# Altium PCB PCB2.PcbDoc (part 2 of 3) (continued)
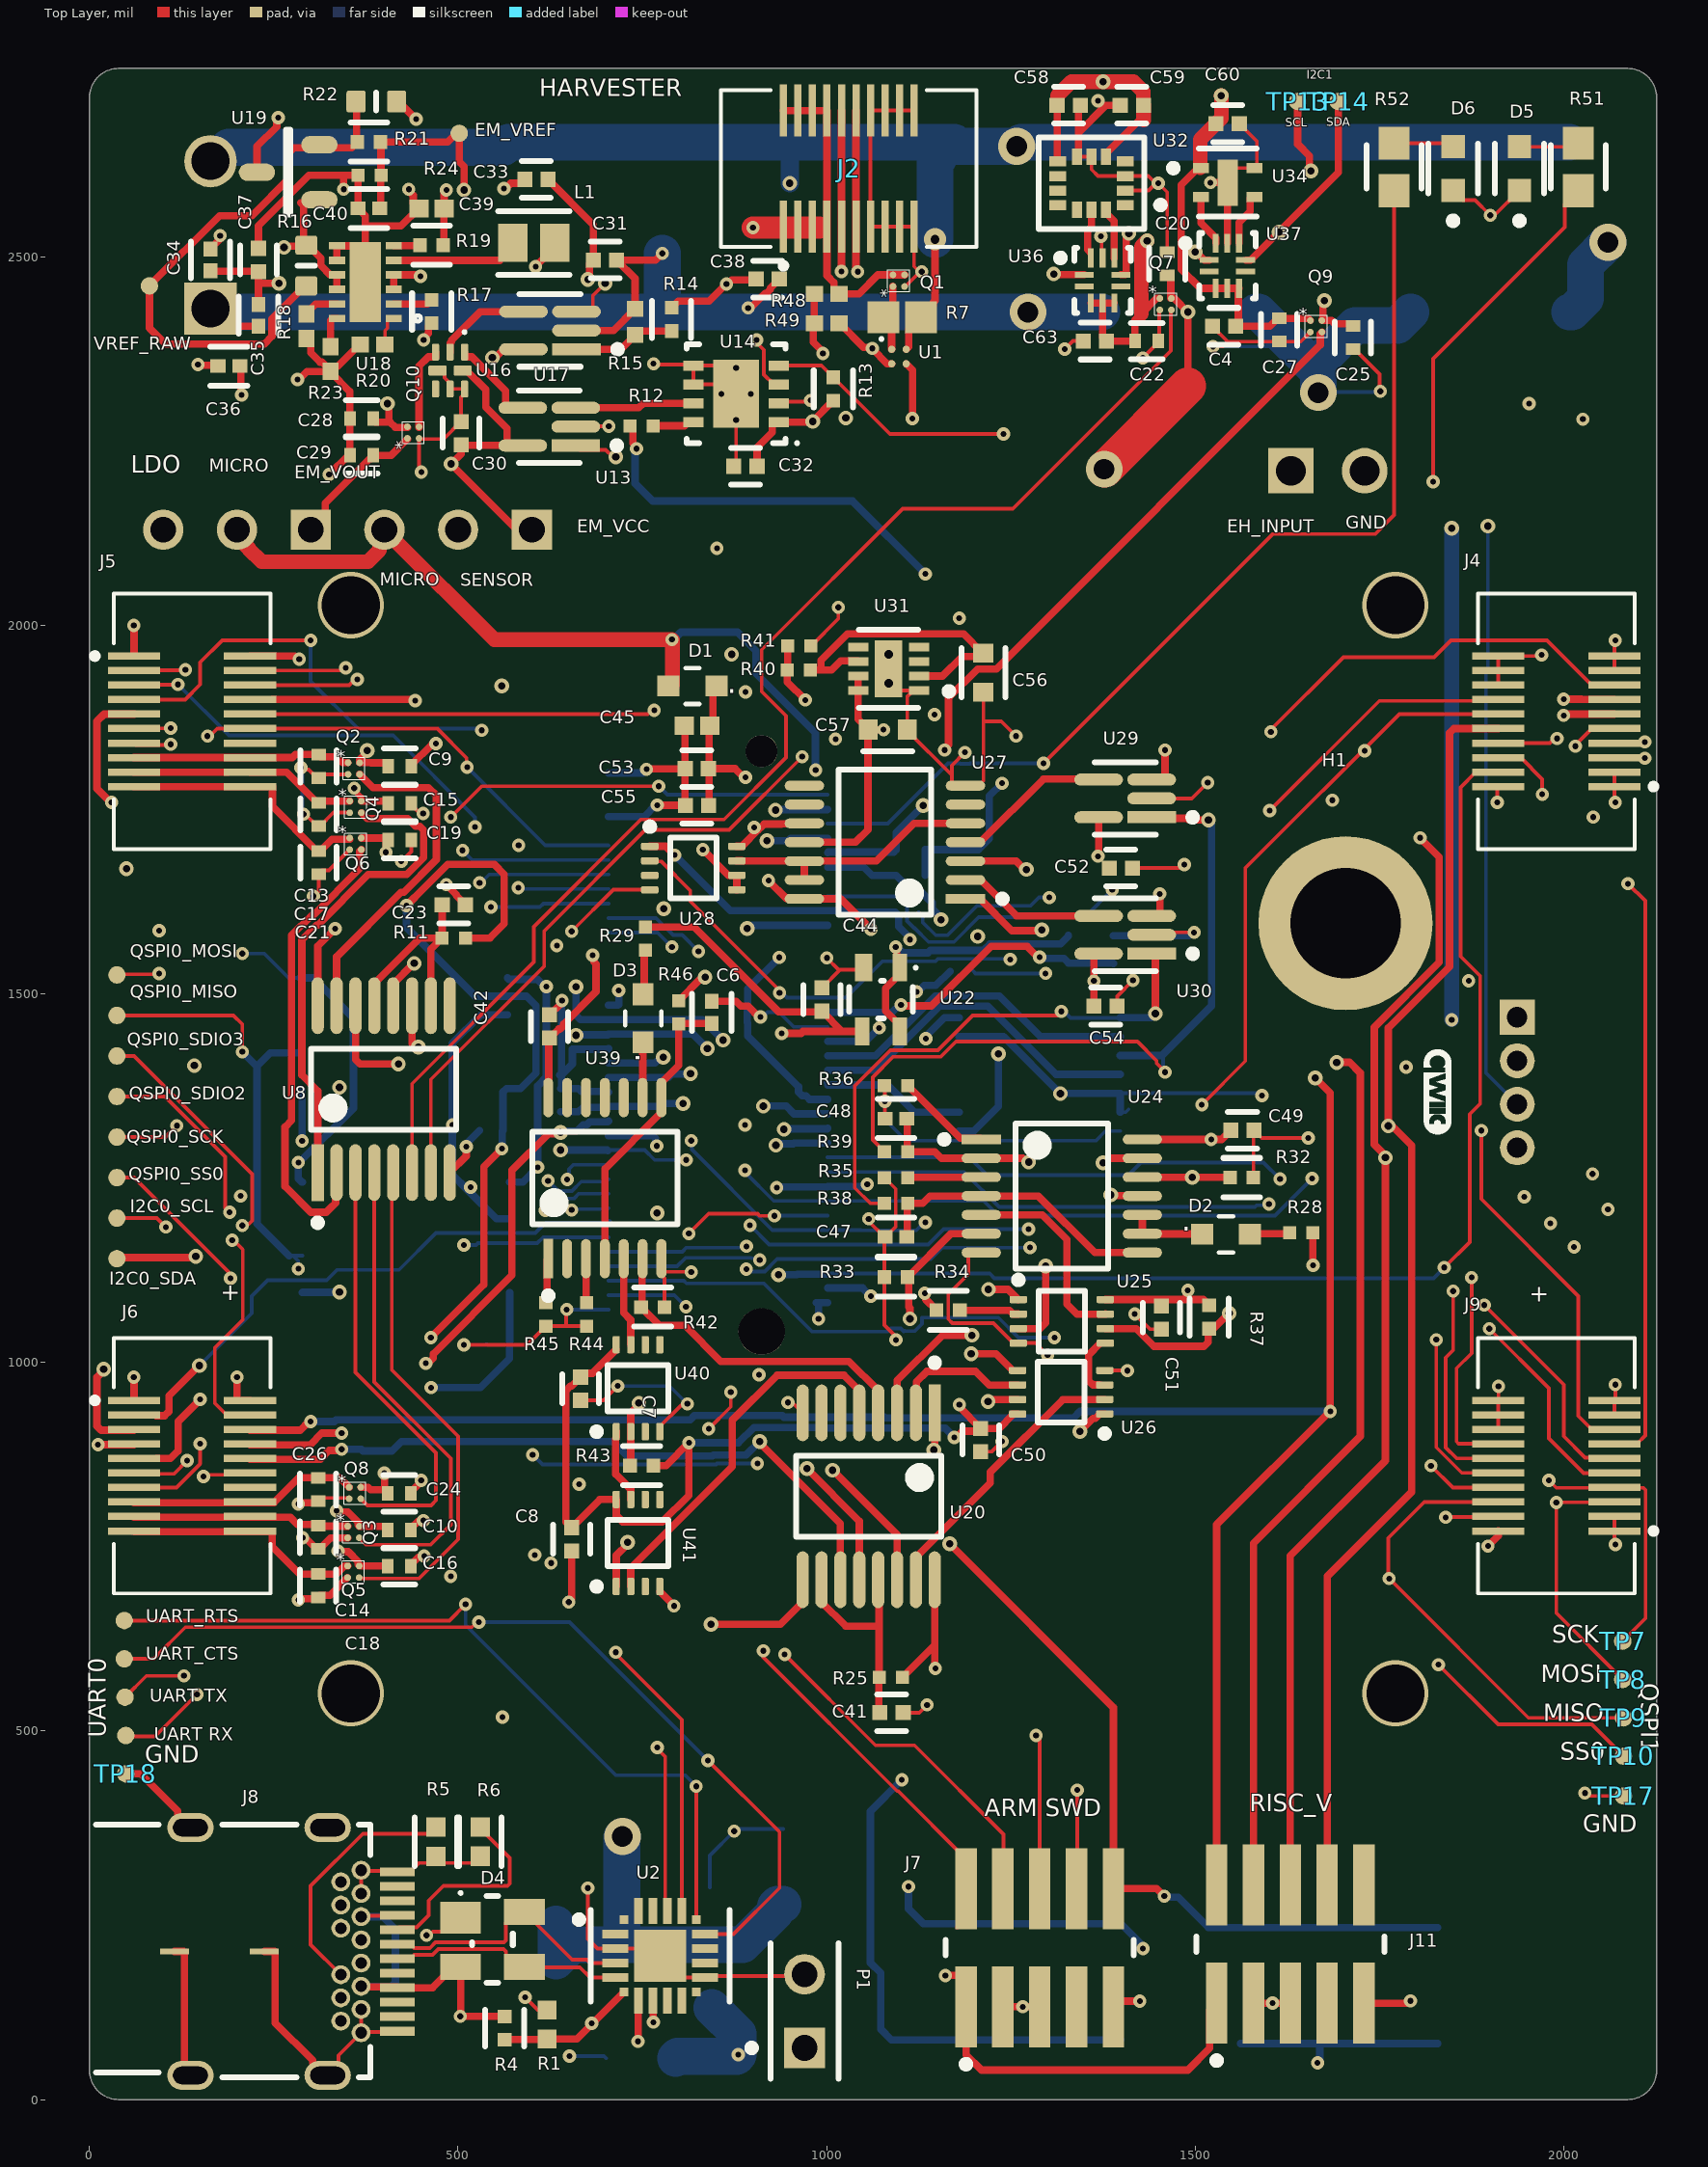
[diagram p0: Top Layer view]
## Nets (pads, with @x,y where several pads share a name; then routed paths per layer and width w, separated by ;. In a path a pad name is that pad's centre, name@x,y a point inside that pad or via, vN(x,y) a via of type N, cw(c..) or ccw(c..) an arc to the next point about the centre after c; other vN are vias at no path point) (continued)
  Top Layer w10: TP18.1@49.09,441.94 69.09,441.94 119.42,391.62 119.42,382.62 132.99,369.05 J8.Shell@136.85,369.05 ; v3(60,980) 60.26,979.74 J6.1@60.26,948.58 ; v3(60,2000) 60.26,1999.74 J5.1@60.26,1958.58 ; J8.Shell@115.2,200.94 127.76,200.94 128.82,199.88 128.82,40.87 J8.Shell@136.85,32.83 ; J13.1@164.09,2429.94 188,2406.04 C35.2@229.09,2406.04 ; C34.2@164.09,2510.85 164.09,2511.69 175.56,2523.16 175.56,2527.41 v1(177.09,2528.94) ; v3(200,980) 200,948.66 200.08,948.58 J6.2@217.74,948.58 ; C36.2@204,2351.94 205.09,2350.85 205.09,2314.04 v1(206.19,2312.94) ; J5.2@217.74,1958.58 278.24,1958.58 282.33,1954.5 v3(284.49,1954.5) ; U19.3@227.09,2614.94 227.09,2649.94 254.09,2676.94 254.09,2686.94 v1(256.09,2688.94) ; C37.2@229.09,2511.69 229.09,2542.35 297.69,2610.94 344.74,2610.94 ; C35.2@229.2,2405.09 C35.2@233.4,2400.9 ; J8.Shell@237.24,200.94 250.87,200.94 251.93,199.88 251.93,103.98 302.64,53.27 302.64,49.4 319.21,32.83 J8.Shell@323.07,32.83 ; v1(282.09,2333.94) 284.26,2333.94 295.07,2344.75 R23.1@326.97,2344.75 ; v1(283.21,677.94) 284.74,679.48 308.12,679.48 312.97,684.32 326.11,684.32 Q5.B1@350.07,708.28 ; v1(283.21,808) 284.74,809.53 307.43,809.53 C26.1@310.09,812.2 ; v1(289.12,762.39) 290.65,760.86 294.46,760.86 308.13,747.2 C14.1@310.09,747.2 312.06,747.2 327.06,762.2 Q3.B1@350.09,762.2 ; v1(324.93,2204.96) 350.91,2230.94 C29.1@353.35,2230.94 C28.2@353.35,2280.94 353.35,2317.39 326.97,2343.77 R23.1@326.97,2344.75 ; U18.8@335.59,2495.48 U18.7@335.59,2515.17 341.59,2515.17 341.82,2514.94 357.59,2514.94 U18.13@374.09,2498.44 ; v1(344.74,2591.94) 344.74,2610.94 ; R20.1@367.36,2380.94 366.38,2380.94 337,2351.56 332.79,2351.56 R23.1@326.97,2345.74 ; U18.13@374.09,2465.94 U18.13@374.09,2498.44 ; R22.1@416.65,2710.94 419.09,2710.94 v1(443.09,2686.94) ; v1(433.06,2591.94) 433.06,2589.78 439.17,2583.67 439.17,2573.15 C39.1@446.38,2565.94 ; C16.2@435.84,723.44 435.84,725.41 446.24,735.81 452.47,735.81 v1(454,737.34) ; C10.2@435.84,772.94 435.84,774.91 445.9,784.97 452.41,784.97 v1(453.05,785.6) ; C24.2@435.84,822.44 435.84,824.41 450,838.57 v3(450,840) ; C9.1@436.49,1808.82 436.49,1810.79 464.17,1838.47 468.47,1838.47 v3(470,1840) ; C39.1@447.17,2565.94 C39.1@446.38,2565.94 ; v1(483.97,1648.52) 497.58,1634.91 497.58,1633.2 C23.1@509.84,1620.94 ; U8.8@488.66,1257.74 511.09,1280.17 511.09,1292.94 v1(511.19,1293.04) ; v1(562.09,2592.94) 564.26,2592.94 571.37,2600.06 585.21,2600.06 C33.2@590.45,2605.29 ; C42.2@624.09,1471.69 639.47,1487.07 639.47,1489.47 v1(641,1491) ; v1(650.09,674.94) 654.09,678.94 C8.2@654.09,744.45 ; U17.2@660.61,2400.35 710.78,2400.35 R15.1@740.09,2429.66 740.09,2470.94 C31.2@715.09,2495.94 768.09,2495.94 v1(777.09,2504.94) ; v1(755.62,1804.98) 756.02,1805.38 C53.2@807.62,1805.38 ; v1(770.31,1756.3) 770.49,1756.12 C55.2@808.17,1756.12 ; U41.4@773.7,689.33 792.87,670.16 v1(792.87,669.72) ; C45.1@806.89,1864.01 807.62,1863.28 C53.2@807.62,1805.38 ; C53.2@808.11,1805.78 807.71,1805.38 C53.2@807.62,1805.38 ; C55.2@808.35,1755.94 C55.2@808.17,1756.12 ; v1(832.09,1695.94) 866.94,1661.1 U28.6@878.15,1661.1 U28.5@878.15,1641.42 ; C6.2@844.09,1490.1 877.1,1490.1 883.7,1483.5 893.31,1483.5 907.93,1468.88 v1(910.09,1468.88) ; v3(893.57,2430.81) 896.56,2430.81 916.51,2450.76 918.22,2450.76 923.49,2456.04 923.49,2457.74 C38.2@935.75,2470 ; R49.1@1016.73,2410 1017.72,2410 1050.24,2377.48 1060.56,2377.48 v1(1062.09,2375.94) 1062.09,2375.11 1082.1,2355.1 U1.B1@1088.25,2355.1 ; J7.3@1239.09,125.94 v1(1266.09,125.94) J7.5@1289.09,125.94 ; U32.7@1339.72,2635.94 1341.61,2637.83 1341.61,2670.65 ; C58.1@1344.09,2705.94 1341.61,2703.46 1341.61,2670.65 ; v1(1368.09,2711.9) 1376.57,2703.42 ; J7.9@1389.09,125.94 1396.68,133.53 v1(1424.91,133.53) ; C59.2@1398.35,2705.94 1379.09,2705.94 1376.57,2703.42 ; v3(1520.8,2600.94) U34.5@1535.69,2600.94 ; U37.10@1543.8,2518.68 1543.94,2518.83 1543.94,2600.8 U34.5@1544.09,2600.94 U34.5@1535.69,2600.94 ; U34.5@1544.09,2609.35 U34.5@1535.69,2600.94 ; J11.3@1579.09,130.83 v1(1605.09,130.83) J11.5@1629.09,130.83 ; J11.9@1729.09,130.83 1788.98,130.83 v1(1792.09,133.94) ; v3(1897.27,750.98) 1911.26,764.97 J9.2@1911.26,771.42 ; R18.1@294.59,2388.72 294.09,2388.23 R18.1@294.09,2389.21 R18.1@294.59,2388.72 ; R18.1@294.59,2388.72 299.92,2383.39 299.92,2369.9 312.41,2357.41 315.3,2357.41 R23.1@326.97,2345.74 ; R23.1@326.97,2344.75 R23.1@326.97,2345.74 ; 344.74,2610.94 R24.1@364.09,2610.94 R24.1@364.09,2610.94 364.14,2565.99 C40.2@364.19,2565.94 365.03,2565.94 369.34,2561.64 369.34,2560.8 374.09,2556.04 374.09,2541.94 ; U18.13@374.09,2498.44 374.09,2541.94 ; 374.09,2541.94 422.38,2541.94 C39.1@446.38,2565.94 ; C53.2@807.62,1805.38 807.62,1756.67 C55.2@808.17,1756.12 ; 1341.61,2670.65 1343.8,2670.65 1376.57,2703.42
  Int1 (GND) w5: v1(811.09,943.94) 903.86,943.94 990.68,1030.76 v1(1094,1030.76) ; v1(889.28,1322.44) 890.78,1320.94 910.68,1320.94 944.29,1354.55 v1(1079.09,1354.55)
  Int1 (GND) w10: v1(770.31,1756.3) v1@772.96,1758.94
  Int2 (PWR) w5: v1(889.28,1322.44) 889.28,1424.28 903.59,1438.6 903.59,1458.86 910.09,1465.36 v1(910.09,1468.88) ; v1(1297.09,1527.94) 1320.97,1527.94 1342.97,1549.94 1384.15,1549.94 v1(1415.62,1518.47) ; v1(1408.24,988.99) 1408.24,1052.57 1418.09,1062.43 v1(1418.09,1065.94) ; v1(1485.17,1675.51) 1485.17,1755.02 v1(1517.09,1786.94)
  Int2 (PWR) w10: v1(641,1491) 641.05,1490.95 667.07,1490.95 671.26,1486.75 699.88,1486.75 v1(718,1504.88)
  Bottom Layer w5: v1(207.21,1554.94) 237.09,1554.94 270.09,1521.94 U42.4@285.78,1521.94 ; v1(286.79,1807) 288.52,1805.27 288.52,1745.8 v1(290.25,1744.07) ; v1(508,1023.94) 537.57,1023.94 C61.2@538.52,1024.9 ; v1(647.43,1072.01) 647.63,1071.81 703.9,1071.81 J1.75@704.09,1071.61 ; v3(651,59) 697.76,59 C2.1@700.76,56 ; v1(716.64,968.15) 786.89,968.15 v1(811.09,943.94) ; U3.1@841.66,288 841.66,331.32 v3(874.56,364.21) 877.52,367.18 C3.1@941,367.18 ; v1(910.09,1468.88) 913.61,1468.88 919.98,1475.24 935.4,1475.24 955.17,1455.47 J1.36@1001.34,1455.47 ; v1(1079.09,1354.55) 1079.09,1329.94 1108.07,1300.97 1365.18,1300.97 1378.39,1314.17 U23.7@1398.36,1314.17 ; R30.1@1124.93,1610.94 1130.41,1605.47 1130.41,1597.3 1148.02,1579.68 1164.1,1579.68 1204.07,1619.65 1276.81,1619.65 1288.11,1630.94 v1(1302.09,1630.94) ; C46.1@1199.09,1530.94 1202.09,1527.94 v1(1297.09,1527.94) ; v1(1524.25,2378.59) 1604.45,2378.59 v4@1652.81,2330.23 ; v4(1667.09,2315.94) 1668.03,2316.88 1750.35,2316.88 v1(1751.29,2317.81)
  Bottom Layer w10: U42.4@285.78,1521.94 303.5,1521.94 358,1467.44 358,1344.93 284.55,1271.48 v1(283.21,1271.48) 283.21,1249.73 288.04,1244.9 U33.4@288.61,1244.9 ; v1(511.19,1293.04) 512.72,1294.57 512.72,1298.32 C1.2@529.35,1314.94 ; 638,1390.14 640.14,1392.27 640.14,1490.14 v1(641,1491) ; J1.45@704.09,1366.88 703.19,1367.79 667.38,1367.79 663.4,1371.78 639.18,1371.78 640.14,1372.73 640.14,1381.43 640.14,1390.14 655.04,1405.04 655.04,1425.04 703.19,1425.04 J1.39@704.09,1425.94 ; J1.33@704.09,1484.99 717.1,1484.99 718,1485.9 v1(718,1504.88) ; J1.7@704.09,1740.9 752.75,1740.9 768.15,1756.3 v1(770.31,1756.3) ; J1.1@704.09,1799.95 750.6,1799.95 v1(755.62,1804.98) ; v1(1111.09,288.94) 1111.09,258.71 SW1.A'@1131.38,238.43 SW1.A@1399.09,238.43 1429.26,208.26 v1(1429.26,204.73) ; R47.1@1389.09,1578.94 1491.74,1578.94 1496.41,1583.62 v1(1498.58,1583.62) ; SW2.A@1561.38,75.94 1669.09,75.94 ; v1(1666.09,49.94) 1669.09,52.94 1669.09,75.94 ; SW2.A'@1829.09,75.94 1669.09,75.94
  Bottom Layer w50: J13.1@164.09,2429.94 168.61,2425.43 C73.2@568.22,2425.43 568.38,2425.28 C72.2@768.22,2425.28 C72.2@768.38,2425.43 ; v1(777.09,2504.94) 777.09,2434.15 C72.2@768.38,2425.43 ; C69.2@1373.22,2425.28 v4(1273.22,2425.28) C70.2@1173.22,2425.28 1173.14,2425.35 968.3,2425.35 C71.2@968.22,2425.43 C72.2@768.38,2425.43 ; C68.2@1583.22,2425.43 1586.17,2425.43 1667.09,2344.51 ; v4(1667.09,2315.94) 1667.09,2357.09 1716.97,2406.97 1774.26,2406.97 C67.2@1792.56,2425.27 ; C66.2@2008.22,2425.28 2011.17,2425.28 2029.48,2443.58 2029.48,2489.48 v4(2060,2520)
  other v6: 857.48,2314.33 896.85,2314.33 877.17,2349.76
  other v7: 1084.09,1960.94
I2C0_SCL: I2C0_SCL.1 J1.53 J4.12 R13.2 U14.4 | length 3510.2
  Top Layer w5: I2C0_SCL.1@37.09,1195.94 91.28,1195.94 v1(103.4,1183.82) ; U14.4@935.24,2352.72 993.07,2352.72 1009.01,2336.78 R13.2@1009.09,2336.78 1009.18,2336.78 1085.96,2260 v3(1240,2260) ; v1(1509.09,1349.85) 1509.09,1349.94 1568.09,1408.94 1568.09,1670.94 1776.99,1879.84 J4.12@1911.26,1879.84
  Int1 (GND) w5: v1(103.4,1183.82) 100.91,1186.31 100.91,1192.62 100.28,1193.25 100.28,1336.13 131.09,1366.94 328.57,1366.94 334.94,1373.31 v2(339,1373.31) ; v1(809.35,1274.85) 811.44,1276.94 879.41,1276.94 940.82,1338.36 1255.04,1338.36 1265.12,1348.44 1507.69,1348.44 v1(1509.09,1349.85)
  Int1 (GND) w10: v2(339,1373.31) 340.37,1371.94 528.09,1371.94 611.66,1288.38 v2(639,1288.38)
  Int2 (PWR) w5: v3(1240,2260) 1670,1830 v3(1730,1830)
  Bottom Layer w5: J1.53@703.19,1287.24 J1.53@704.09,1288.14 753.32,1288.14 766.61,1274.85 v1(809.35,1274.85)
  Bottom Layer w10: v2@337.63,1371.94 v2(339,1373.31) ; v2(639,1288.38) 639.12,1288.26 702.17,1288.26 J1.53@703.19,1287.24
I2C0_SDA: I2C0_SDA.1 J1.51 J4.13 U42.1 | length 3643
  Top Layer w10: I2C0_SDA.1@37.09,1140.94 38.59,1142.44 142.59,1142.44 v2(144.09,1143.94) ; v1(2000,1900) 2024,1900 2024.39,1899.61 2068.66,1899.61 J4.13@2068.74,1899.53
  Int1 (GND) w10: v3(288.28,1300.66) 250.66,1300.66 144.09,1194.09 v2(144.09,1143.94) 145.27,1145.12 427.81,1145.12 431.49,1141.44 710.59,1141.44 770.09,1200.94 v2(770.09,1202.94) ; v1(851.09,2104.94) 1328.7,2104.94 1542.6,1891.04 1765.74,1891.04 1774.69,1900 v1(2000,1900)
  Int2 (PWR) w10: v1@769.09,1299.77 769.09,1372.43 759.23,1382.3 759.23,1569.21 814.73,1624.71 814.73,1687.86 814.09,1688.49 814.09,1703.4 814.73,1704.03 814.73,1779.09 851.09,1815.45 v1@851.09,2102.94 ; v1(769.48,1293.9) 770.09,1293.29 v2(770.09,1202.94) ; v1@852.57,2108.11 852.7,2107.98 853.28,2107.98 1026.01,2280.71 v2(1026.01,2281.56)
  Bottom Layer w10: U42.1@285.78,1371.94 288.28,1369.44 v3(288.28,1300.66) ; J1.51@704.09,1307.83 764.24,1307.83 767.95,1304.12 767.95,1295.43 v1(769.48,1293.9)
I2C1_SCL: J1.14 J3.4 J5.10 R2.1 TP13.1 U36.2 U37.2 | length 3617.4
  Top Layer w5: J5.10@217.74,1879.84 757.47,1879.84 762.58,1884.94 v1(766.09,1884.94)
  Top Layer w10: v2(1308.09,2476.94) 1309.09,2475.94 U36.2@1349.69,2475.94 ; v2(1499.93,2506.71) 1501.5,2506.71 1512.27,2495.94 U37.2@1519.09,2495.94 ; TP13.1@1639.09,2710.94 1639.09,2653.1 1655.08,2637.11 1655.08,2618.5 v2(1657,2616.59)
  Int1 (GND) w5: v1(766.09,1884.94) 963.17,1884.94 964.67,1883.44 977.51,1883.44 979.01,1884.94 1140.44,1884.94 v1(1146.32,1879.07)
  Int1 (GND) w10: v2(1155.09,1600.94) 1183.09,1572.94 1183.09,1555.94 1299.04,1440 1788.43,1440 J3.4@1937.01,1291.42 ; v2(1308.09,2476.94) 1470.17,2476.94 v2(1499.93,2506.71)
  Int2 (PWR) w5: v2(1155.09,1600.94) 1154.59,1601.44 1137.59,1601.44 1114.59,1624.44 1114.59,1773.38 1128.59,1787.38 1128.59,1861.35 v1(1146.32,1879.07) 1146.32,2060.25 1213.14,2127.07 1213.14,2409.74 1280.34,2476.94 v2(1308.09,2476.94)
  Int2 (PWR) w10: v2(1499.93,2506.71) 1547.12,2506.71 v2(1657,2616.59)
  Bottom Layer w10: J1.14@1001.34,1672 1050.75,1672 1061.81,1660.94 R2.1@1094.41,1660.94 1116.79,1638.56 1128.56,1638.56 1143.14,1623.97 1143.14,1615.6 1155.09,1603.65 v2(1155.09,1600.94)
I2C1_SDA: J1.12 J3.3 J5.11 R3.1 TP14.1 U36.8 U37.8 | length 4558.5
  Top Layer w5: J5.11@60.26,1860.16 60.57,1860.47 109.68,1860.47 v1(110,1860.79)
  Top Layer w10: U36.8@1399.09,2475.94 1405.33,2475.94 1406.39,2477.01 1406.39,2525.54 1410.09,2529.24 v2(1410.09,2531.94) ; U37.8@1568.5,2495.94 1575.32,2495.94 1694.09,2614.72 TP14.1@1694.09,2710.94
  Int1 (GND) w5: v1(110,1860.79) 112.49,1863.27 112.49,1876.06 127.37,1890.94 270.09,1890.94 338.09,1958.94 401.57,1958.94 445.57,2002.94 1170.57,2002.94 1177.63,2010 v1(1180,2010)
  Int1 (GND) w10: v2(1205.09,1578.18) 1207.01,1576.27 1207.01,1552.03 1304.6,1454.44 1815.56,1454.44 1912.4,1357.6 1929.88,1357.6 J3.3@1937.01,1350.47 ; v2(1410.09,2531.94) 1418.01,2531.94 1427.1,2541.04 1442.84,2541.04 1451.94,2531.94 1612.13,2531.94 v2(1613.98,2533.8)
  Int2 (PWR) w5: v2(1131.09,1755.94) 1131.09,1777.15 1137.59,1783.65 1137.59,1839.24 1180,1881.64 v1(1180,2010) ; v2(1613.98,2533.8) 1629.88,2533.8 1735.09,2428.59 1735.09,2404.41 1864.59,2274.91 1864.59,2167.44 v2(1897.09,2134.94)
  Int2 (PWR) w10: v2(1131.09,1755.94) 1205.09,1681.94 v2(1205.09,1578.18)
  Bottom Layer w5: v2(1897.09,2134.94) 1897.09,1942.09 1894.5,1939.5 1894.5,1392.98 J3.3@1937.01,1350.47
  Bottom Layer w10: J1.12@1001.34,1691.69 1002.25,1692.6 1091.06,1692.6 R3.1@1094.41,1695.94 1094.41,1719.26 v2(1131.09,1755.94)
I2S_CLKEXT: J1.58 J5.3 SW1.B SW1.B' | length 3312.3
  Top Layer w5: J5.3@60.26,1938.9 60.81,1939.45 129.45,1939.45 v1(130,1940)
  Int1 (GND) w5: v1(205.09,1225.94) 426.08,1225.94 429.89,1222.13 647.36,1222.13 649.03,1223.8 658.24,1223.8 674.84,1240.4 913.25,1240.4 915.75,1237.9 931.55,1237.9 v1(932.25,1237.21)
  Int1 (GND) w10: v1@931.89,1243.94 931.89,1237.56 v1(932.25,1237.21)
  Int2 (PWR) w5: v1(130,1940) 150,1940 191.71,1898.29 191.71,1239.33 v1(205.09,1225.94)
  Int2 (PWR) w10: v1(1055.09,1241.94) 1055.09,1240.87 1038.66,1224.44 1038.66,941.47 1200.09,780.03 1200.09,531.94 v1(1102.09,433.94)
  Bottom Layer w10: v1(932.25,1237.21) 933.11,1238.07 1000.48,1238.07 J1.58@1001.34,1238.93 1049.92,1238.93 1052.93,1241.94 v1(1055.09,1241.94) ; v1(1102.09,433.94) 1059.39,391.24 1059.39,185.73 1073.39,171.73 1073.39,95.63 1088.07,80.94 SW1.B'@1131.38,80.94 SW1.B@1399.09,80.94
I2S_SCK: J1.50 J4.10 J11.8 | length 2617.3
  Top Layer w10: J11.8@1679.09,291.06 1679.09,709.94 1793.59,824.44 1793.59,1294.44 v2@1762.09,1325.94 ; v2(1762.09,1320.95) v2@1762.09,1325.94 ; J4.10@1911.26,1860.16 1851.06,1860.16 1845.2,1854.3 1845.2,1537.18 1762.09,1454.07 v2@1762.09,1325.94
  Int1 (GND) w10: v2(942.17,1316.37) 944.87,1316.37 954.45,1325.94 1354.42,1325.94 1357.78,1322.58 1760.46,1322.58 v2(1762.09,1320.95)
  Bottom Layer w10: v2(942.17,1316.37) 942.82,1317.02 1000.69,1317.02 J1.50@1001.34,1317.67
I2S_SDI: J1.54 J4.14 | length 1543.2
  Top Layer w5: v1(1601.09,1748.94) 1749.98,1897.83 1909.57,1897.83 J4.14@1911.26,1899.53
  Int2 (PWR) w5: v1(1601.09,1748.94) 1571.09,1718.94 1571.09,1292.94 v1(1615.09,1248.94)
  Bottom Layer w5: J1.54@1001.34,1278.3 1193.71,1278.3 1217.57,1254.44 1409.54,1254.44 1426.54,1271.44 1592.59,1271.44 v1(1615.09,1248.94)
I2S_SDO: J1.56 J4.15 | length 1838.3
  Top Layer w5: v1(1602.67,1855.73) 1602.67,1857.37 1602.09,1857.94 1701.09,1956.94 1824.02,1956.94 1847.07,1980 1977.44,1980 2038.23,1919.21 J4.15@2068.74,1919.21
  Int2 (PWR) w5: v1(1600.09,1214.94) 1562.09,1252.94 1562.09,1731.87 1602.67,1772.44 v1(1602.67,1855.73)
  Bottom Layer w5: J1.56@1001.34,1258.61 1186.47,1258.61 1234.13,1210.95 1581.09,1210.95 1583.59,1213.45 1598.6,1213.45 v1(1600.09,1214.94)
I2S_WS: J1.52 J4.11 J11.6 | length 2841.6
  Top Layer w10: J11.6@1629.09,291.06 1629.09,737.94 1758.09,866.94 1758.09,1280.65 1743.09,1295.65 1743.09,1454.87 1831.2,1542.98 1831.2,1685.83 v1(1805.09,1711.94) ; v1(2000,1878) 2002.16,1878 2004.01,1879.84 J4.11@2068.74,1879.84
  Int1 (GND) w10: v2(931.09,1294.94) 1377.96,1294.94 1388.19,1284.72 1618.78,1284.72 1625.55,1277.94 v2(1758.09,1277.94) ; v1(1805.09,1711.94) 1805.09,1839.94 1843.15,1878 v1(2000,1878)
  Bottom Layer w10: v2(931.09,1294.94) 933.01,1296.86 954.71,1296.86 955.83,1297.98 J1.52@1001.34,1297.98
IMU_SCL: U32.13 U36.1 | length 61.3
  Top Layer w10: U36.1@1357.58,2506.57 1354,2510.15 1354,2535.46 1359.41,2540.87 U32.13@1359.41,2564.09
IMU_SDA: U32.14 U36.9 | length 70
  Top Layer w10: U32.14@1379.09,2564.09 1380.98,2562.2 1380.98,2557.78 1390.14,2548.62 U36.9@1390.14,2498.68
INT_ADC0: R38.2 U23.1 U30.1 | length 728.8
  Top Layer w5: R38.2@1078.35,1215.94 1059.17,1215.94 1038.09,1237.02 1038.09,1375.33 1086.6,1423.83 1151.09,1423.83 1198.21,1470.94 1317.09,1470.94 1318.51,1472.36 v1(1318.51,1476.45)
  Top Layer w10: U30.1@1441.03,1554.76 1445.98,1549.81 v2(1445.98,1473.44)
  Bottom Layer w5: v1(1318.51,1476.45) 1322.03,1476.45 1330.76,1467.72 U23.1@1398.36,1467.72
  Bottom Layer w10: U23.1@1398.36,1467.72 1440.25,1467.72 v2(1445.98,1473.44)
INT_ADC1: R39.2 U23.3 U29.1 | length 1052.7
  Top Layer w5: R39.2@1078.35,1285.94 1062.45,1301.84 1062.45,1386.96 1090.32,1414.83 1154.82,1414.83 1175.43,1435.44 1421.61,1435.44 1447.64,1409.42 1447.64,1405.88 1459.09,1394.43 v1(1459.09,1394)
  Top Layer w10: U29.1@1441.03,1739.76 1442.27,1738.52 1489.04,1738.52 1491.53,1736.03 v2(1518.09,1736.03)
  Bottom Layer w5: 1454.69,1416.54 1456.61,1414.61 1456.61,1396.49 v1(1459.09,1394)
  Bottom Layer w10: U23.3@1398.36,1416.54 1454.69,1416.54 1522.09,1483.94 1522.09,1732.94 1521.18,1732.94 v2(1518.09,1736.03)
INT_ADC2: R46.2 U23.8 | length 628.9
  Top Layer w10: R46.2@799.09,1490.95 829.09,1520.94 830.39,1520.94 832.39,1522.94 v2(835.09,1522.94)
  Int1 (GND) w10: v2(835.09,1522.94) 1129.09,1522.94 v2(1233.09,1418.94)
  Bottom Layer w10: U23.8@1179.83,1314.17 1199.8,1314.17 1233.09,1347.47 v2(1233.09,1418.94)
LDO_3V3: C3.2 J14.3 U3.2 U3.3 U3.6 U3.7 | length 2754
  Int2 (PWR) w50: J14.3@100,2131.61 100.9,2130.71 100.9,2119.1 245.21,1974.79 245.21,529.79 419,356 722,356 v4(723,357)
  Bottom Layer w50: U3.7@633,238 U3.6@633,188 655,210 722,210 ; v4(723,357) 722,356 722,210 ; C3.2@941,264.82 933.13,264.82 930.57,262.26 930.57,254.39 886.18,210 841.66,210 722,210
LOAD1: Q2.B2 U8.15 | length 459.5
  Top Layer w10: U8.15@335.12,1484.15 335.12,1550.57 422.54,1638 426.25,1638 470.54,1682.28 470.54,1769.46 460,1780 384.56,1780 Q2.B2@366.49,1798.07
LOAD2: Q4.B2 U8.1 | length 668.1
  Top Layer w10: U8.1@309.53,1257.74 309.53,1368.51 288.09,1389.94 288.09,1573.79 307.77,1593.46 309.71,1593.46 378.25,1662 430.46,1662 453.36,1684.9 453.36,1722.39 448.09,1727.66 441.88,1727.66 431.57,1737.98 376.68,1737.98 Q4.B2@368.7,1745.96
LOAD3: Q6.B2 U8.2 | length 630.9
  Top Layer w10: U8.2@335.12,1257.74 333.86,1256.48 333.86,1216.85 326.81,1209.8 320.95,1203.94 300.09,1203.94 265.21,1238.83 265.21,1319.64 274.09,1328.53 274.09,1579.59 301.97,1607.46 303.83,1607.46 366.39,1670.02 366.39,1693.72 Q6.B2@368.61,1695.94
LOAD4: Q8.B2 U8.3 | length 598.7
  Top Layer w5: U8.3@360.71,1257.74 360.71,986.56 470,877.27 470,812.93 463.17,806.1 377.01,806.1 Q8.B2@367.94,815.17
LOAD5: Q3.B2 U8.4 | length 660
  Top Layer w5: Q3.B2@365.84,762.2 375.2,752.84 462.84,752.84 490,780 490,870 386.3,973.7 U8.4@386.3,1257.74
LOAD6: Q5.B2 U8.5 | length 692.4
  Top Layer w5: Q5.B2@365.82,708.28 366.59,707.5 369.46,707.5 369.86,707.1 447.1,707.1 500,760 500,900 410,990 410,1255.85 U8.5@411.89,1257.74
LOAD7: Q7.B2 U8.6 | length 1777.9
  Top Layer w5: U8.6@437.48,1257.74 437.48,1378.32 602.72,1543.56 602.72,1591.26 748.17,1736.71 860.86,1736.71 945.02,1820.87 945.02,1877.45 911.88,1910.59 911.88,1967.16 1103.1,2158.37 1252.72,2158.37 1466.97,2372.63 Q7.B2@1466.97,2428.07
LOAD8: Q9.B2 U8.7 | length 1830.5
  Top Layer w5: U8.7@463.07,1257.74 463.07,1384.11 616.72,1537.76 616.72,1585.46 753.97,1722.71 867.63,1722.71 v1(966.87,1821.94)
  Top Layer w10: v1(1160.09,1830.94) 1160.09,1833.11 1165.33,1838.35 1165.33,1901.41 1204.81,1940.88 1230.26,1940.88 1669.75,2380.37 1669.75,2395.85 Q9.B2@1671.97,2398.07
  Int1 (GND) w10: v1(966.87,1821.94) 1151.09,1821.94 v1(1160.09,1830.94)
LOAD_SER: U8.14 U20.9 | length 1409.6
  Top Layer w10: U8.14@360.71,1484.15 360.91,1483.95 360.91,1410.81 366.76,1404.95 v2(419,1404.95) ; v2(843.09,644.94) 937.35,644.94 967.52,675.11 U20.9@967.52,705.32
  Int1 (GND) w10: v1(490,710) 778.04,710 v2(843.09,644.94)
  Int2 (PWR) w10: v2(419,1404.95) 419,1379.64 414,1374.64 414,1352.04 490,1276.04 v1(490,710)
MICRO_VCC: C1.1 C61.1 D1.2 J1.2 J1.74 J12.3 J14.2 R2.2 R3.2 R11.2 R25.2 U8.16 U20.16 U33.8 U42.8 | length 3850.5
  Top Layer w10: U8.16@309.53,1484.15 309.53,1564.98 v1(333.09,1588.54) ; v1(430,1620) 453.81,1643.81 485.95,1675.94 549.09,1675.94 562.59,1662.44 562.59,1595.44 543.09,1575.94 R11.2@509.84,1575.94 ; v1(463.09,1033.94) 535,1105.85 535,1265.73 v1(559.31,1290.04) ; R25.2@1102.84,572.94 1146.66,616.76 ; U20.16@1146.66,705.32 1146.66,616.76 ; v1(1147.48,584.99) 1146.66,585.82 1146.66,616.76
  Top Layer w20: J14.2@186.59,2133.41 187.21,2133.41 215.55,2105.07 215.55,2104.45 233.44,2086.56 377.82,2086.56 393.36,2102.1 393.36,2113.98 398.76,2119.37 410.63,2119.37 549.06,1980.94 v1(790.09,1980.94) 790.67,1980.37 D1.2@790.67,1919.01
  Int1 (GND) w10: v1(333.09,1588.54) 335.25,1588.54 340.16,1583.63 393.63,1583.63 v1(430,1620) ; v1(985.09,1803.94) 1003.09,1785.94 v1(1238.09,1785.94)
  Int2 (PWR) w10: v1(989.09,1059.21) 989.09,971.23 1186.09,774.23 1186.09,729.94 1147.48,691.33 v1(1147.48,584.99)
  Bottom Layer w10: v1(430,1620) 430,1590 522.93,1497.07 592.81,1497.07 605.74,1484.14 605.74,1392.87 584.81,1371.94 U42.8@567.09,1371.94 565.67,1371.94 560.84,1367.12 C1.1@560.84,1314.94 560.08,1314.18 560.08,1290.81 v1(559.31,1290.04) ; v1(463.52,966.02) 530.17,966.02 569.67,1005.52 569.67,1024.56 C61.1@570.02,1024.9 570.02,1094.81 U33.8@569.93,1094.9 ; v1(790.09,1980.94) 792.26,1980.94 802.26,1990.94 879.09,1990.94 904.09,1965.95 904.09,1934.94 984.87,1854.17 v1@984.87,1803.94 ; J1.74@985.66,1081.45 J1.74@988.19,1081.45 ; v1(989.09,1059.21) 989.09,1080.55 J1.74@988.19,1081.45 ; J1.74@1001.34,1081.45 J1.74@988.19,1081.45 ; R2.2@1133.78,1660.94 R3.2@1133.78,1695.94 1205.94,1695.94 1220.83,1710.83 1220.83,1768.68 v1(1238.09,1785.94)
NetC6_1: C6.1 R46.1 U39.4 U39.8 | length 405.3
  Top Layer w10: U39.4@699.09,1140.93 699.09,1262.72 775.87,1339.49 U39.8@775.87,1359.46 775.87,1379.44 799.52,1403.09 799.52,1459.87 843.67,1459.87 C6.1@844.09,1460.29
NetC23_2: C23.2 R11.1 U8.10 U8.13 | length 290.9
  Top Layer w10: U8.13@386.3,1484.15 386.3,1514.36 447.89,1575.94 R11.1@478.35,1575.94 ; U8.10@463.07,1484.15 463.07,1560.67 R11.1@478.35,1575.94 ; C23.2@478.35,1620.94 R11.1@478.35,1575.94
NetC41_2: C41.2 R25.1 U20.10 U20.13 | length 301.7
  Top Layer w10: U20.10@993.11,705.32 993.11,675.11 1026.08,642.15 1071.14,642.15 ; C41.2@1068.58,528.53 1070.71,530.65 1070.71,576.4 1072.84,578.53 1071.14,580.22 1071.14,642.15 ; U20.13@1069.88,705.32 1071.14,704.07 1071.14,642.15
NetC47_1: C47.1 R38.1 U24.4 U24.8 | length 400.3
  Top Layer w10: C47.1@1109,1170.44 1109.42,1170.87 1109.42,1215.52 R38.1@1109.84,1215.94 1130.09,1215.94 1140.09,1225.94 U24.4@1209.83,1225.94 1287.04,1225.94 1363.82,1149.17 U24.8@1428.36,1149.17